# KiCad board All_Bloks_of_project.kicad_pcb (continued)
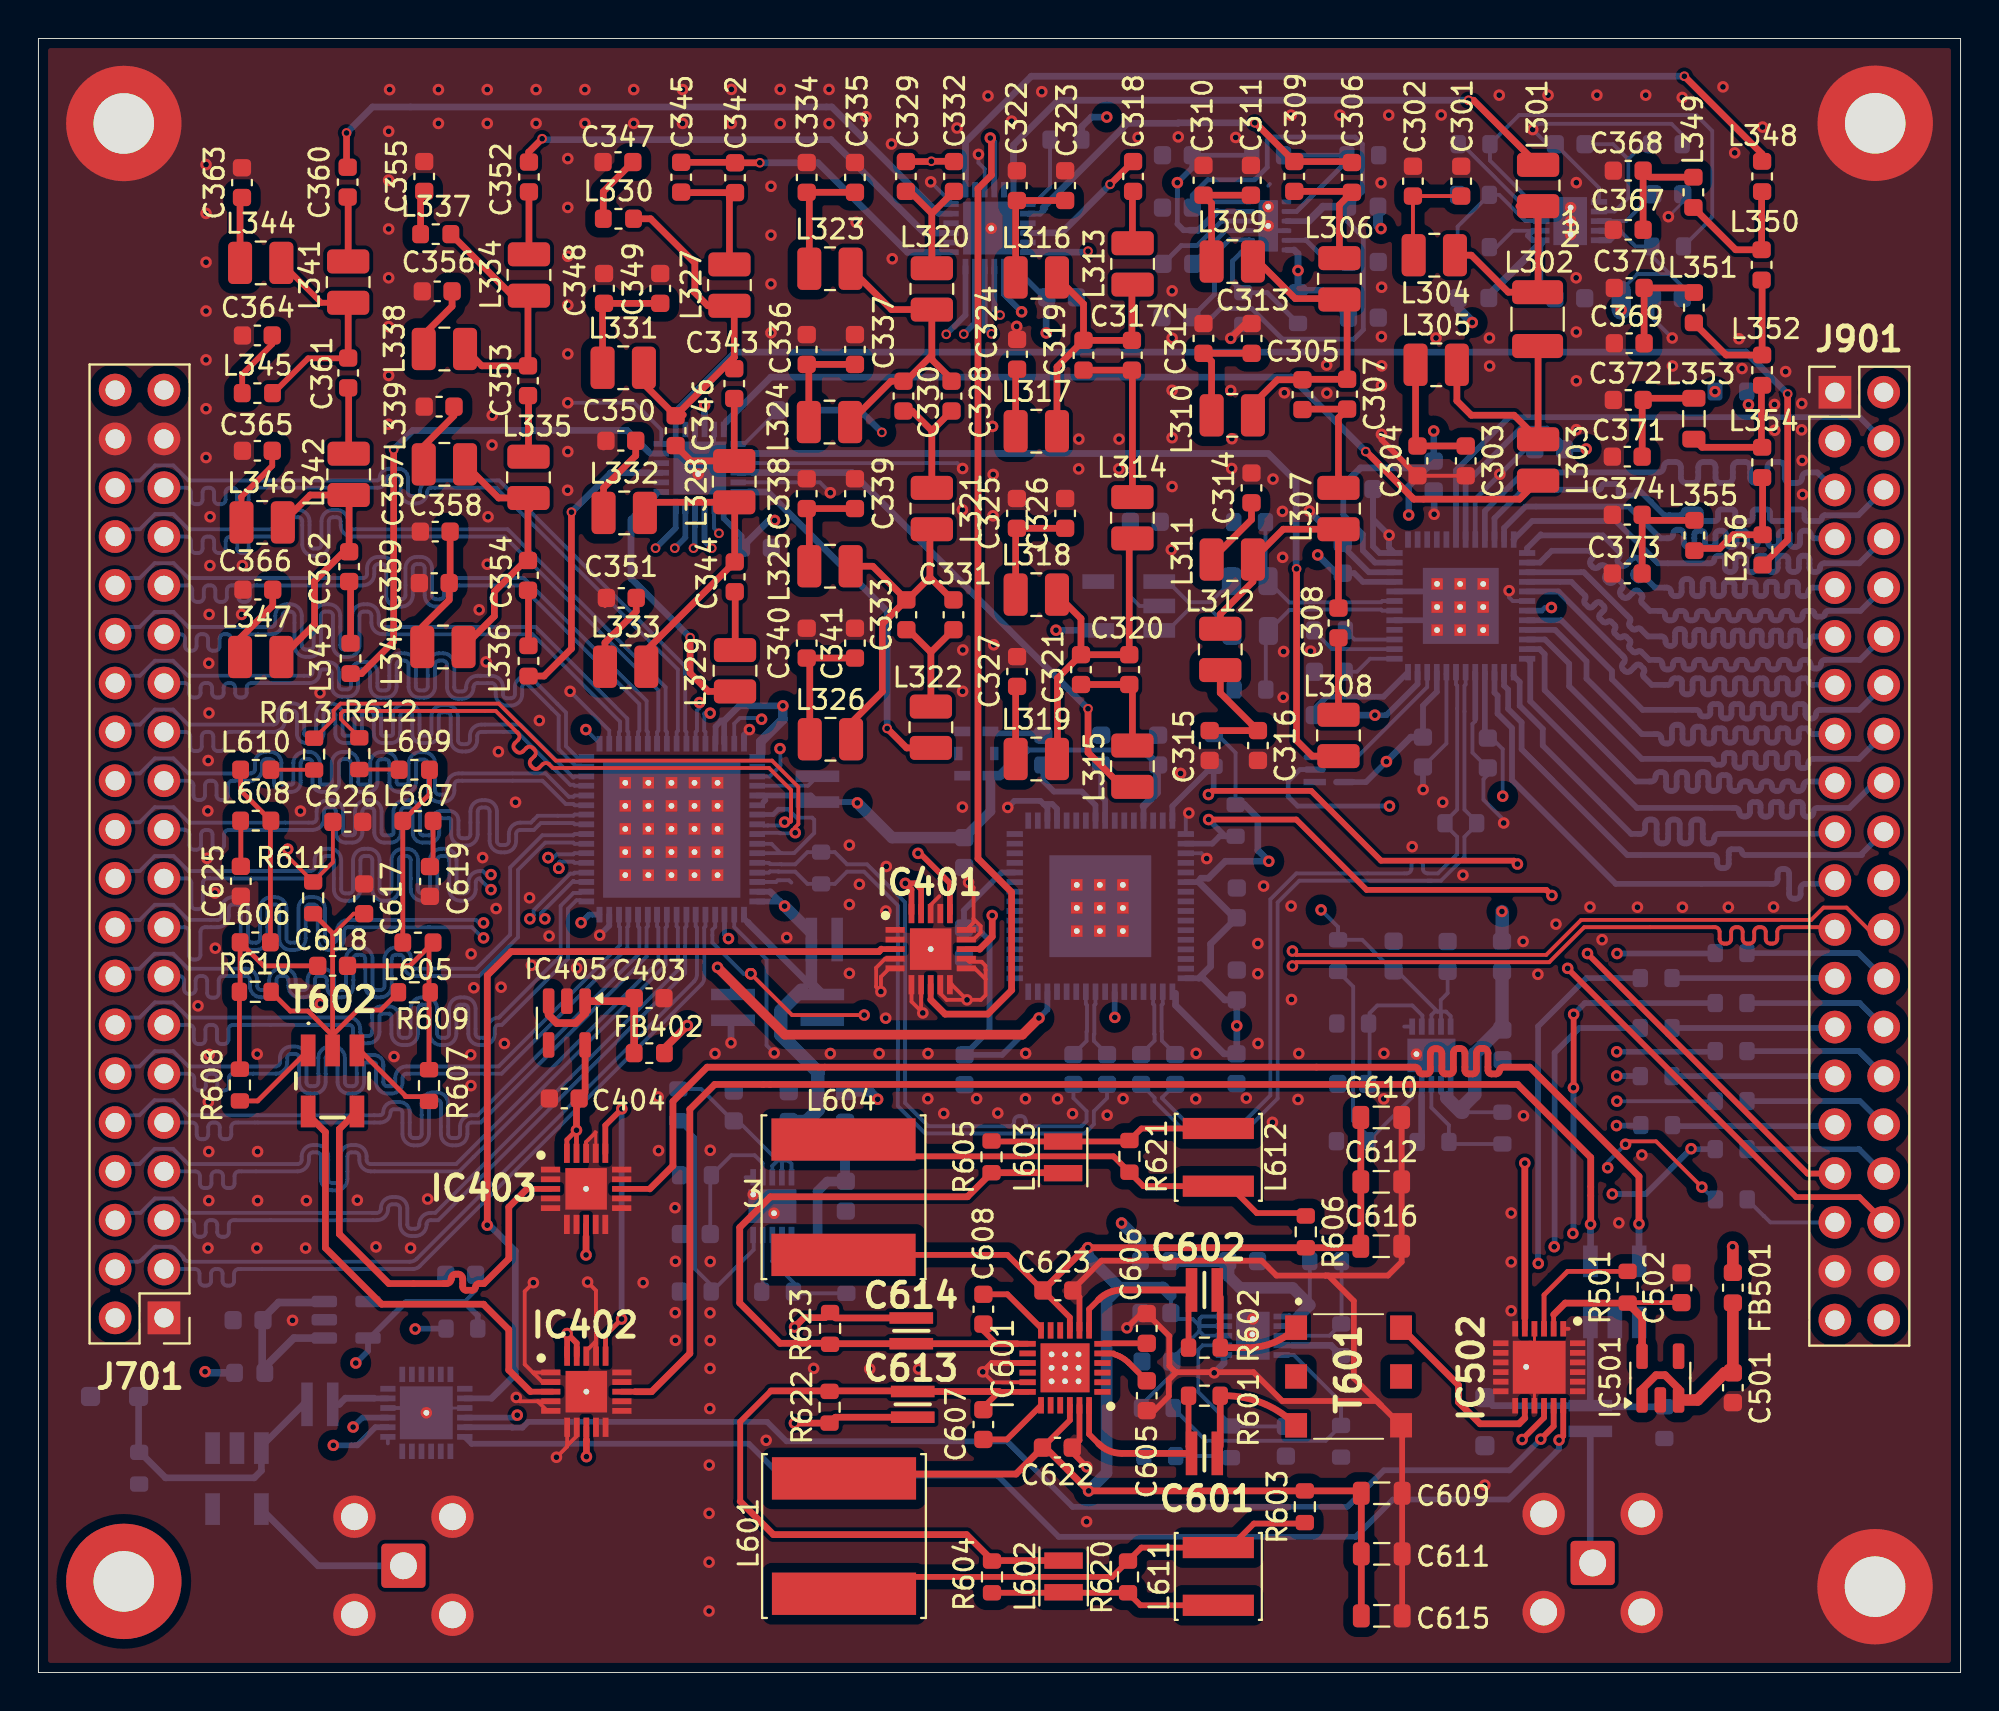
[diagram p0: board, top side]
## Placement (name value [footprint] x y rotation side) (continued)
R605  54Ω  [R_0603_1608Metric]  49.59 26.82 90 top
R606  390Ω  [R_0603_1608Metric]  65.94 22.92 270 top
R607  10Ω  [R_0603_1608Metric]  20.32 30.53 90 top
R608  10Ω  [R_0603_1608Metric]  10.48 30.56 90 top
R609  33Ω  [R_0603_1608Metric]  19.56 35.38 0 top
R610  33Ω  [R_0603_1608Metric]  11.28 35.41 0 top
R611  100Ω  [R_0603_1608Metric]  14.29 40.3 90 top
R612  10Ω  [R_0603_1608Metric]  16.69 47.8 90 top
R613  10Ω  [R_0603_1608Metric]  14.34 47.77 90 top
R614  10kΩ  [R_0603_1608Metric]  66.97 21.4 180 bottom
R615  10kΩ  [R_0603_1608Metric]  67.78 17.31 90 bottom
R616  30kΩ 1%  [R_0603_1608Metric]  62.04 12 90 bottom
R617  47kΩ  [R_0603_1608Metric]  58.21 13.76 180 bottom
R618  10kΩ  [R_0603_1608Metric]  67.77 12.03 90 bottom
R619  3.6kΩ 1%  [R_0603_1608Metric]  58.34 11.26 0 bottom
R620  82Ω  [R_0603_1608Metric]  56.69 4.97 90 top
R621  82Ω  [R_0603_1608Metric]  56.76 26.85 270 top
R622  2.2kΩ  [R_0603_1608Metric]  41.16 13.8 90 top
R623  2.2kΩ  [R_0603_1608Metric]  41.19 17.9 270 top
R701  100Ω  [R_0603_1608Metric]  40.72 41.85 90 bottom
R702  10kΩ  [R_0603_1608Metric]  42.04 20.55 90 bottom
R703  10kΩ  [R_0603_1608Metric]  38.45 19.81 0 bottom
R704  22kΩ 1%  [R_0603_1608Metric]  34.19 25.87 0 bottom
R705  47kΩ  [R_0603_1608Metric]  33.3 29.53 90 bottom
R706  10kΩ  [R_0603_1608Metric]  34.17 19.82 0 bottom
R707  10kΩ  [R_0603_1608Metric]  76.17 28.32 90 bottom
R708  10kΩ  [R_0603_1608Metric]  72.55 27.6 0 bottom
R709  12kΩ 1%  [R_0603_1608Metric]  68.38 33.76 0 bottom
R710  10kΩ  [R_0603_1608Metric]  67.61 37.29 90 bottom
R711  10kΩ  [R_0603_1608Metric]  68.36 27.64 0 bottom
R801  4.7kΩ  [R_0603_1608Metric]  61.14 47.97 90 bottom
R802  4.7kΩ  [R_0603_1608Metric]  62.28 44.33 90 bottom
R901  2kΩ  [R_0603_1608Metric]  67.17 54.21 0 bottom
R902  1MΩ  [R_0603_1608Metric]  84.59 13 270 bottom
R903  25Ω  [R_0603_1608Metric]  63.03 51.13 0 bottom
R904  25Ω  [R_0603_1608Metric]  63.01 59.84 180 bottom
R905  10kΩ  [R_0603_1608Metric]  74.66 74.14 0 bottom
R906  10kΩ  [R_0603_1608Metric]  74.66 76.86 0 bottom
R907  22kΩ 1%  [R_0603_1608Metric]  84.69 79.5 180 bottom
R908  10kΩ  [R_0603_1608Metric]  84.76 74.18 180 bottom
R909  47kΩ  [R_0603_1608Metric]  74.69 79.5 0 bottom
R910  47Ω  [R_0603_1608Metric]  84.16 33.52 0 bottom
R911  47Ω  [R_0603_1608Metric]  88.06 34.82 180 bottom
R912  47Ω  [R_0603_1608Metric]  84.16 36.12 0 bottom
R913  47Ω  [R_0603_1608Metric]  88.06 37.42 180 bottom
R914  47Ω  [R_0603_1608Metric]  88.06 32.32 180 bottom
R915  47Ω  [R_0603_1608Metric]  88.06 29.72 180 bottom
R916  47Ω  [R_0603_1608Metric]  88.06 27.22 180 bottom
R917  47Ω  [R_0603_1608Metric]  84.19 28.47 0 bottom
R918  47Ω  [R_0603_1608Metric]  84.16 31.02 0 bottom
R919  100Ω  [R_0603_1608Metric]  74 44.18 180 bottom
R920  47Ω  [R_0603_1608Metric]  88.05 66.63 0 bottom
R921  47Ω  [R_0603_1608Metric]  88.08 24.61 0 bottom
T101  CX2041NLT 1:1  [CX2041NLT]  10.33 10.09 0 bottom
T601  TTWB-2-A 1:2  [TTWB20101LB]  68.16 15.4 270 top
T602  CX2041NLT 1:1  [CX2041NLT]  15.3 30.77 180 top
T901  CX2041NLT 1:1  [CX2041NLT]  56.72 55.48 270 bottom
T902  CX2041NLT 1:1  [CX2041NLT]  82.01 19.8 180 bottom
TVS101  CDSOD323-T05LC  [D_SOD-323_HandSoldering]  3.96 14.36 0 bottom
TVS901  CDSOD323-T05LC  [D_SOD-323_HandSoldering]  75.25 13.05 90 bottom
U902  SN74LV1T04DCKR  [Texas_Instruments-DCK0005A-0-0-IPC_C]  67.17 46.97 0 bottom
X801  38.4 MHz TCXO  [Oscillator_SMD_Kyocera_2520-6Pin_2.5x2.0mm]  48.79 47.81 0 bottom

## Library data of the parts
C101 C601 C602 C613 C614 C702-C705 C913 = -: Datasheet: https://www.mouser.co.uk/datasheet/2/40/licc-776614.pdf; Description: AVX 0508 (1220M) 1uF MLCC 10V dc +/-10% SMD 0508ZC105KAT2A; Height: 1.02; Manufacturer_Name: Kyocera AVX; Manufacturer_Part_Number: 0508ZC105KAT2A; Mouser Part Number: 581-0508ZC105K; Mouser Price/Stock: https://www.mouser.co.uk/ProductDetail/AVX/0508ZC105KAT2A?qs=B6DZAqfcL2iSZlvljngCnQ%3D%3D; Arrow Part Number: 0508ZC105KAT2A; Arrow Price/Stock: https://www.arrow.com/en/products/0508zc105kat2a/avx
C102 C103 C201 C203 C204 C206-C208 C301-C374 C403 C404 C501 C502 C603-C612 C615-C623 C625 C626 C701 C706-C712 C901-C912 C916 C917 C919 = -: Description: Unpolarized capacitor; ki_fp_filters: C_*
C202 C205 C801-C809 C818-C821 = -: Description: Unpolarized capacitor
FB102 FB201 FB402 FB501 FB601 FB701 FB702 FB901 = -: Description: Ferrite bead; ki_fp_filters: Inductor_* L_* *Ferrite*
IC101 IC405 IC501 = -: Datasheet: http://www.ti.com/lit/ds/symlink/lp5907.pdf; Description: 250-mA Ultra-Low-Noise Low-IQ LDO, 3.3V, SOT-23; ki_fp_filters: SOT?23*
IC104 IC502 = -: Datasheet: http://www.psemi.com/pdf/datasheets/pe43711ds.pdf; Description: IC RF DSA 7BIT 50 OHM 24QFN; Height: 0.9; Manufacturer_Name: Peregrine Semiconductor
IC201 IC202 = -: Datasheet: https://datasheet.lcsc.com/szlcsc/2004131004_PSemi-PE42582A-X_C500479.pdf; Description: RF Switch ICs SP8T, Absorptive, 50? Instrumentation Switch; Height: 0.9; Manufacturer_Name: Peregrine Semiconductor; Mouser Part Number: 81-PE42582A-X; Mouser Price/Stock: https://www.mouser.co.uk/ProductDetail/pSemi/PE42582A-X?qs=5aG0NVq1C4x%252BzLwOxBVCEw%3D%3D
IC203 = -: Datasheet: http://www.ti.com/lit/ds/symlink/lm27762.pdf; Description: Low-noise inverting charge pump with both positive and negative LDO's, with 2.7V-5.5V input to +1.5 to +5V and -1.5 to -5V Output Voltage, WSON-12; ki_fp_filters: WSON*1EP?3x2mm*P0.5mm*ThermalVias*
IC401-IC403 = -: Datasheet: https://www.idt.com/document/dst/f2912-datasheet-rev03; Description: The IDT F2912 is a high reliability, low insertion loss 50 SPDT (SP2T) absorptive RF switch designed for a multitude of wireless and other RF applications. This device covers a broad frequency range from 0.009 MHz to 9000 MHz. In addition to providing low insertion loss, the F2912 also delivers excellent linearity and isolation performance while providing 50 ohm terminations to the unused RF input port.The F2912 uses a single positive supply voltage of 3.3V supporting three states using either 3.3 V or 1.8; Height: 0.8; Mouser Part Number: 972-F2912NCGI8; Mouser Price/Stock: https://www.mouser.co.uk/ProductDetail/Renesas-Electronics/F2912NCGI8?qs=Lc9xb%252B54wecdbDKkHpoV6w%3D%3D; Manufacturer_Name: Renesas Electronics
IC601 = -: Datasheet: https://www.analog.com/media/en/technical-documentation/data-sheets/643215f.pdf; Description: n 100kHz to 1400MHz Bandwidth n 54.4dBm OIP3 at 1MHz into a 100 Diff Load n 48.0dBm OIP3 at 150MHz into a 100 Diff Load n Up to 15dBm Output Power n NF = 3.0dB at 240MHz n Low 1/f Noise Corner n User Defined Low Frequency n 15.2dB Fixed Power Gain n A-Grade 100% OIP3 Tested at 150MHz n 0.8 nV/Hz Total Input Noise n >2.75VP-P Linear Output Swing n P1dB = 22.5dBm n Insensitive to VCC Variation n Input/Output Internally Matched to 100 Differential n Single 5V Supply n DC Power = 850mW n Unc; Height: 0.8; Mouser Part Number: 584-6432AIUF15PBF; Mouser Price/Stock: https://www.mouser.co.uk/ProductDetail/Analog-Devices/LTC6432AIUF-15PBF?qs=BZBei1rCqCC7HUv8OOtxyA%3D%3D; Manufacturer_Name: Analog Devices
IC602 IC702 IC703 IC902 = -: Datasheet: https://www.ti.com/general/docs/suppproductinfo.tsp?distId=26&gotoUrl=https://www.ti.com/lit/gpn/tps7a94; Description: LDO Voltage Regulators 1-A, ultra-low noise, ultra-high PSRR, RF voltage regulator; Height: 0.8; Manufacturer_Name: Texas Instruments; Mouser Part Number: 595-TPS7A9401DSCR; Mouser Price/Stock: https://www.mouser.co.uk/ProductDetail/Texas-Instruments/TPS7A9401DSCR?qs=vvQtp7zwQdMtpMCj0ktWqw%3D%3D; Arrow Price/Stock: https://www.arrow.com/en/products/tps7a9401dscr/texas-instruments?utm_currency=USD&region=nac
IC701 = -: Description: 16-Bit, 130Msps ADC; Manufacturer_Name: Analog Devices
IC801 = -: Datasheet: https://componentsearchengine.com/Datasheets/1/SI5391B-A-GM.pdf; Description: Clock Generators & Support Products Ultra low-jitter, 12-output, any-frequency (< 350 MHz), any output clock generator; Height: 0.9; Manufacturer_Name: Silicon Labs; Mouser Part Number: 634-SI5391B-A-GM; Mouser Price/Stock: https://www.mouser.co.uk/ProductDetail/Silicon-Labs/SI5391B-A-GM?qs=r5DSvlrkXmIKpg0ywsSS%252BQ%3D%3D; Arrow Price/Stock: https://www.arrow.com/en/products/si5391b-a-gm/silicon-labs
IC901 = -: Datasheet: https://datasheet.datasheetarchive.com/originals/dk/DKDS-7/137412.pdf; Description: Digital to Analog Converters - DAC 3.3V, 16-Bit, 200Msps High Dynamic Performance DAC with CMOS Inputs; Description_1: Digital to Analog Converters - DAC 3.3V, 16-Bit, 200Msps High Dynamic Performance DAC with CMOS Inputs; Height: 1; Manufacturer_Name: Analog Devices; Mouser Part Number: 700-MAX5885EGMD; Mouser Price/Stock: https://www.mouser.com/Search/Refine.aspx?Keyword=700-MAX5885EGMD
J101 J902 = -: ki_fp_filters: *CON-COAX_BU-SMA-H*
J701 J901 = -: Datasheet: https://cdn-shop.adafruit.com/product-files/2222/00587.pdf; Description: Headers & Wire Housings GPIO Header for Raspberry Pi A+/B+/Pi 2/Pi 3 - 2x20 Female Header; Height: 8.65; Manufacturer_Name: Adafruit; Manufacturer_Part_Number: 2222; Mouser Part Number: 485-2222; Mouser Price/Stock: https://www.mouser.co.uk/ProductDetail/Adafruit/2222?qs=GURawfaeGuDZD0rNtWpsaQ%3D%3D; Arrow Part Number: 2222; Arrow Price/Stock: https://www.arrow.com/en/products/2222/adafruit-industries?utm_currency=USD&region=nac
L301-L356 L605-L610 = -: Description: Inductor; ki_fp_filters: Choke_* *Coil* Inductor_* L_*
L601 L604 = -: Description: Inductor SWPA8065S471MT; ki_fp_filters: Choke_* *Coil* Inductor_* L_*
L602 L603 = -: Description: Inductor SWPA252010SR56NT; ki_fp_filters: Choke_* *Coil* Inductor_* L_*
L611 L612 = -: Description: Inductor SWPA4030S470MT; ki_fp_filters: Choke_* *Coil* Inductor_* L_*
R101 R102 R201-R206 R501 R601-R623 R701-R711 R801 R802 R901-R921 = -: Description: Resistor; ki_fp_filters: R_*
T101 T602 T901 T902 = -: Datasheet: https://octopart.com/datasheet/pulse-electronics/CX2041NLT; Description: PULSE 1:1 RF Transformer 0.05 - 450MHz 75 Ohm; ki_fp_filters: *PA3GSB_DIL06*
T601 = -: Datasheet: https://octopart.com/datasheet/coilcraft/TTWB1010-; Description: COILCRAFT 1:2 Wideband RF Transformer 0.05 - 200 MHz; ki_fp_filters: *PA3GSB_DIL06*
TVS101 TVS901 = -: Datasheet: https://www.tme.eu/Document/6d36879fb2dd3d2490c58510ca5e3957/PESD5V0S1BB-DTE.pdf; Description: SOD-323 Bidirectional TVS Diode, 5V, 130W, Alternate KiCAD Library; ki_fp_filters: TO-???* *_Diode_* *SingleDiode* D_*
U902 = -: Datasheet: https://www.ti.com/lit/ds/symlink/sn74lv1t04.pdf?ts=1606184222884&ref_url=https%253A%252F%252Fwww.ti.com%252Fstore%252Fti%252Fen%252Fp%252Fproduct%252F%253Fp%253DSN74LV1T04DCKR%2526keyMatch%253DSN74LV1T04DCKR%2526tisearch%253DSearch-EN-everything%2526usecase%253DOPN; ambient temperature range high: +125°C; ambient temperature range low: -40°C; automotive: No; category: IC; device class L1: Integrated Circuits (ICs); device class L2: Logic ICs; device class L3: Logic Gates; digikey description: IC INVERTER 1CH 1-INP SC70-5; digikey part number: 296-39209-1-ND; height: 1.1mm; lead free: Yes; library id: 5b3b2395368a7f87; logic function desc: Inverting; manufacturer: Texas Instruments; max supply voltage: 5.5V; min supply voltage: 1.6V; mouser description: Single Power Supply INVERTER Gate logic level shifter 5-SC70 -40 to 125; mouser part number: 595-SN74LV1T04DCKR; nominal supply current: 1uA; number of circuits: 1; number of inputs: 1; number of outputs: 1; package: SC70-5; propagation delay: 5.5ns; rohs: Yes; standoff height: 0mm; temperature range high: +125°C; temperature range low: -40°C

## Footprints (pads in the part's own frame, mm; a bottom-side part is the same pattern mirrored in y, then rotated)
0508
  rect 0.6x2.27 smd: 1(-0.67,0) 2(0.67,0)
C_0603_1608Metric
  rrect 0.9x0.95 smd: 1(-0.775,0) 2(0.775,0)
C_0805_2012Metric
  rrect 1x1.45 smd: 1(-0.95,0) 2(0.95,0)
CX2041NLT
  rect 0.762x1.651 smd: 1(1.27,-1.587) 2(0,-1.587) 3(-1.27,-1.587) 4(-1.27,1.587) 6(1.27,1.587)
D_SOD-323_HandSoldering
  rrect 1x1 smd: 1(-1.25,0) 2(1.25,0)
L_0603_1608Metric
  rrect 0.875x0.95 smd: 1(-0.787,0) 2(0.787,0)
L_0805_2012Metric
  rrect 0.875x1.2 smd: 1(-1.062,0) 2(1.062,0)
L_1008_2520Metric
  rrect 1.25x2.2 smd: 1(-1.075,0) 2(1.075,0)
L_1210_3225Metric
  rrect 1.25x2.65 smd: 1(-1.4,0) 2(1.4,0)
L_Changjiang_FNR8065S
  rect 2.2x7.5 smd: 1(-3,0) 2(3,0)
L_Sunlord_SWPA4030S
  rect 1.1x3.7 smd: 1(-1.5,0) 2(1.5,0)
L_Sunlord_SWPA252010S
  rect 0.85x2 smd: 1(-0.825,0) 2(0.825,0)
Oscillator_SMD_Kyocera_2520-6Pin_2.5x2.0mm
  rect 0.825x0.5 smd: 1(-0.738,1.15) 3(-0.738,-1.15) 4(0.738,-1.15) 6(0.738,1.15)
  rect 0.43x0.7 smd: 2(-0.935,0) 5(0.935,0)
PinHeader_2x20_P2.54mm_Vertical
  rect 1.7x1.7 hole 1: 1(0,0)
  oval 1.7x1.7 hole 1: 2(2.54,0) 3(0,-2.54) 4(2.54,-2.54) 5(0,-5.08) 6(2.54,-5.08) 7(0,-7.62) 8(2.54,-7.62) 9(0,-10.16) 10(2.54,-10.16) 11(0,-12.7) 12(2.54,-12.7) 13(0,-15.24) 14(2.54,-15.24) 15(0,-17.78) 16(2.54,-17.78) 17(0,-20.32) 18(2.54,-20.32) 19(0,-22.86) 20(2.54,-22.86) 21(0,-25.4) 22(2.54,-25.4) 23(0,-27.94) 24(2.54,-27.94) 25(0,-30.48) 26(2.54,-30.48) 27(0,-33.02) 28(2.54,-33.02) 29(0,-35.56) 30(2.54,-35.56) 31(0,-38.1) 32(2.54,-38.1) 33(0,-40.64) 34(2.54,-40.64) 35(0,-43.18) 36(2.54,-43.18) 37(0,-45.72) 38(2.54,-45.72) 39(0,-48.26) 40(2.54,-48.26)
QFN50P400X400X80-21N-D
  rect 1x0.3 smd: 1(-1.85,1) 2(-1.85,0.5) 3(-1.85,0) 4(-1.85,-0.5) 5(-1.85,-1) 11(1.85,-1) 12(1.85,-0.5) 13(1.85,0) 14(1.85,0.5) 15(1.85,1)
  rect 0.3x1 smd: 6(-1,-1.85) 7(-0.5,-1.85) 8(0,-1.85) 9(0.5,-1.85) 10(1,-1.85) 16(1,1.85) 17(0.5,1.85) 18(0,1.85) 19(-0.5,1.85) 20(-1,1.85)
  rect 2.16x2.16 smd: 21(0,0)
QFN50P400X400X80-25N-D
  rect 0.85x0.3 smd: 1(-1.95,1.25) 2(-1.95,0.75) 3(-1.95,0.25) 4(-1.95,-0.25) 5(-1.95,-0.75) 6(-1.95,-1.25) 13(1.95,-1.25) 14(1.95,-0.75) 15(1.95,-0.25) 16(1.95,0.25) 17(1.95,0.75) 18(1.95,1.25)
  rect 0.3x0.85 smd: 7(-1.25,-1.95) 8(-0.75,-1.95) 9(-0.25,-1.95) 10(0.25,-1.95) 11(0.75,-1.95) 12(1.25,-1.95) 19(1.25,1.95) 20(0.75,1.95) 21(0.25,1.95) 22(-0.25,1.95) 23(-0.75,1.95) 24(-1.25,1.95)
  rect 2.55x2.55 smd: 25(0,0)
QFN50P400X400X90-25N-D
  rect 0.8x0.3 smd: 1(-2,1.25) 2(-2,0.75) 3(-2,0.25) 4(-2,-0.25) 5(-2,-0.75) 6(-2,-1.25) 13(2,-1.25) 14(2,-0.75) 15(2,-0.25) 16(2,0.25) 17(2,0.75) 18(2,1.25)
  rect 0.3x0.8 smd: 7(-1.25,-2) 8(-0.75,-2) 9(-0.25,-2) 10(0.25,-2) 11(0.75,-2) 12(1.25,-2) 19(1.25,2) 20(0.75,2) 21(0.25,2) 22(-0.25,2) 23(-0.75,2) 24(-1.25,2)
  rect 2.75x2.75 smd: 25(0,0)
QFN50P700X700X100-49N
  rect 0.85x0.3 smd: 1(-3.45,2.75) 2(-3.45,2.25) 3(-3.45,1.75) 4(-3.45,1.25) 5(-3.45,0.75) 6(-3.45,0.25) 7(-3.45,-0.25) 8(-3.45,-0.75) 9(-3.45,-1.25) 10(-3.45,-1.75) 11(-3.45,-2.25) 12(-3.45,-2.75) 25(3.45,-2.75) 26(3.45,-2.25) 27(3.45,-1.75) 28(3.45,-1.25) 29(3.45,-0.75) 30(3.45,-0.25) 31(3.45,0.25) 32(3.45,0.75) 33(3.45,1.25) 34(3.45,1.75) 35(3.45,2.25) 36(3.45,2.75)
  rect 0.3x0.85 smd: 13(-2.75,-3.45) 14(-2.25,-3.45) 15(-1.75,-3.45) 16(-1.25,-3.45) 17(-0.75,-3.45) 18(-0.25,-3.45) 19(0.25,-3.45) 20(0.75,-3.45) 21(1.25,-3.45) 22(1.75,-3.45) 23(2.25,-3.45) 24(2.75,-3.45) 37(2.75,3.45) 38(2.25,3.45) 39(1.75,3.45) 40(1.25,3.45) 41(0.75,3.45) 42(0.25,3.45) 43(-0.25,3.45) 44(-0.75,3.45) 45(-1.25,3.45) 46(-1.75,3.45) 47(-2.25,3.45) 48(-2.75,3.45)
  rect 3.95x3.95 smd: 49(0,0)
QFN50P900X900X80-65N
  rect 0.813x0.305 smd: 1(-4.445,3.759) 2(-4.445,3.251) 3(-4.445,2.743) 4(-4.445,2.261) 5(-4.445,1.753) 6(-4.445,1.245) 7(-4.445,0.762) 8(-4.445,0.254) 9(-4.445,-0.254) 10(-4.445,-0.762) 11(-4.445,-1.245) 12(-4.445,-1.753) 13(-4.445,-2.261) 14(-4.445,-2.743) 15(-4.445,-3.251) 16(-4.445,-3.759) 33(4.445,-3.759) 34(4.445,-3.251) 35(4.445,-2.743) 36(4.445,-2.261) 37(4.445,-1.753) 38(4.445,-1.245) 39(4.445,-0.762) 40(4.445,-0.254) 41(4.445,0.254) 42(4.445,0.762) 43(4.445,1.245) 44(4.445,1.753) 45(4.445,2.261) 46(4.445,2.743) 47(4.445,3.251) 48(4.445,3.759)
  rect 0.305x0.813 smd: 17(-3.759,-4.445) 18(-3.251,-4.445) 19(-2.743,-4.445) 20(-2.261,-4.445) 21(-1.753,-4.445) 22(-1.245,-4.445) 23(-0.762,-4.445) 24(-0.254,-4.445) 25(0.254,-4.445) 26(0.762,-4.445) 27(1.245,-4.445) 28(1.753,-4.445) 29(2.261,-4.445) 30(2.743,-4.445) 31(3.251,-4.445) 32(3.759,-4.445) 49(3.759,4.445) 50(3.251,4.445) 51(2.743,4.445) 52(2.261,4.445) 53(1.753,4.445) 54(1.245,4.445) 55(0.762,4.445) 56(0.254,4.445) 57(-0.254,4.445) 58(-0.762,4.445) 59(-1.245,4.445) 60(-1.753,4.445) 61(-2.261,4.445) 62(-2.743,4.445) 63(-3.251,4.445) 64(-3.759,4.445)
  rect 7.137x7.137 smd: 65(0,0)
QFN50P900X900X90-65N-D
  rect 0.85x0.3 smd: 1(-4.45,3.75) 2(-4.45,3.25) 3(-4.45,2.75) 4(-4.45,2.25) 5(-4.45,1.75) 6(-4.45,1.25) 7(-4.45,0.75) 8(-4.45,0.25) 9(-4.45,-0.25) 10(-4.45,-0.75) 11(-4.45,-1.25) 12(-4.45,-1.75) 13(-4.45,-2.25) 14(-4.45,-2.75) 15(-4.45,-3.25) 16(-4.45,-3.75) 33(4.45,-3.75) 34(4.45,-3.25) 35(4.45,-2.75) 36(4.45,-2.25) 37(4.45,-1.75) 38(4.45,-1.25) 39(4.45,-0.75) 40(4.45,-0.25) 41(4.45,0.25) 42(4.45,0.75) 43(4.45,1.25) 44(4.45,1.75) 45(4.45,2.25) 46(4.45,2.75) 47(4.45,3.25) 48(4.45,3.75)
  rect 0.3x0.85 smd: 17(-3.75,-4.45) 18(-3.25,-4.45) 19(-2.75,-4.45) 20(-2.25,-4.45) 21(-1.75,-4.45) 22(-1.25,-4.45) 23(-0.75,-4.45) 24(-0.25,-4.45) 25(0.25,-4.45) 26(0.75,-4.45) 27(1.25,-4.45) 28(1.75,-4.45) 29(2.25,-4.45) 30(2.75,-4.45) 31(3.25,-4.45) 32(3.75,-4.45) 49(3.75,4.45) 50(3.25,4.45) 51(2.75,4.45) 52(2.25,4.45) 53(1.75,4.45) 54(1.25,4.45) 55(0.75,4.45) 56(0.25,4.45) 57(-0.25,4.45) 58(-0.75,4.45) 59(-1.25,4.45) 60(-1.75,4.45) 61(-2.25,4.45) 62(-2.75,4.45) 63(-3.25,4.45) 64(-3.75,4.45)
  rect 5.3x5.3 smd: 65(0,0)
R_0603_1608Metric
  rrect 0.8x0.95 smd: 1(-0.825,0) 2(0.825,0)
SMA_BAT_Wireless_BWSMA-KWE-Z001
  rrect 2.3x2.3 hole 1.4: 1(0,0)
  round 2.2 hole 1.4: 2(-2.55,-2.55) 2(-2.55,2.55) 2(2.55,-2.55) 2(2.55,2.55)
SON50P300X300X80-11N-D
  rect 0.85x0.3 smd: 1(-1.5,1) 2(-1.5,0.5) 3(-1.5,0) 4(-1.5,-0.5) 5(-1.5,-1) 6(1.5,-1) 7(1.5,-0.5) 8(1.5,0) 9(1.5,0.5) 10(1.5,1)
  rect 1.75x2.5 smd: 11(0,0)
SOT-23-5
  rrect 1.325x0.6 smd: 1(-1.137,0.95) 2(-1.137,0) 3(-1.137,-0.95) 4(1.137,-0.95) 5(1.137,0.95)
Texas_Instruments-DCK0005A-0-0-IPC_C
  rect 1.164x0.336 smd: 1(-0.77,0.65)
  rrect 1.164x0.336 smd: 2(-0.77,0) 3(-0.77,-0.65) 4(0.77,-0.65) 5(0.77,0.65)
TTWB20101LB
  rect 1.27x1.14 smd: 1(-2.54,-2.73) 2(0,-2.73) 3(2.54,-2.73) 4(2.54,2.73) 5(0,2.73) 6(-2.54,2.73)
unnamed
  rect 0.6x0.6 hole 0.3: 65(0,0)
unnamed#2
  round 0.6 hole 0.3: 25(0,0)
unnamed#3
  round 0.6 hole 0.3: 11(0,0)
unnamed#4
  rect 0.6x0.6 hole 0.3: 49(0,0)
unnamed#5
  round 0.6 hole 0.3: 21(0,0)
unnamed#6
  round 6 hole 3.15: M3(-3.62,5.197)
unnamed#7
  round 6 hole 3.15: M3(5.57,-1.593)
unnamed#8
  round 6 hole 3.15: M3(6.33,9.5)
unnamed#9
  round 6 hole 3.15: M3(3.1,5.747)
WSON-12-1EP_3x2mm_P0.5mm_EP1x2.65_ThermalVias
  rect 0.95x0.8 smd: (0,-0.5) (0,0.5)
  rrect 0.5x0.25 smd: 1(-0.95,1.25) 2(-0.95,0.75) 3(-0.95,0.25) 4(-0.95,-0.25) 5(-0.95,-0.75) 6(-0.95,-1.25) 7(0.95,-1.25) 8(0.95,-0.75) 9(0.95,-0.25) 10(0.95,0.25) 11(0.95,0.75) 12(0.95,1.25)
  round 0.6 smd: 13(0,-1)
  round 0.6 hole 0.3: 13(0,0) 13(0,1)
  rect 1x2.65 smd: 13(0,0) 13(0,0)

## Nets
+1.8V_ADC: C703.2 C711.1 C712.1 C802.1 C803.2 C804.2 C805.1 C821.1 IC701.32 IC701.49 IC703.8 IC703.9 IC703.10 IC801.22 IC801.32 IC801.33 IC801.39 IC801.46 IC801.60 R710.2 R801.2 R802.2
+3.3V_ADC: C702.2 C704.2 C705.2 C707.1 C708.1 C801.1 C806.2 IC701.1 IC701.5 IC701.6 IC701.15 IC701.16 IC701.17 IC701.61 IC701.62 IC702.8 IC702.9 IC702.10 IC801.13 R705.2 X801.6
+3.3V_B2: C207.2 IC201.8 IC202.8 IC203.11 R201.2 R202.2 R203.2
+3.3V_DAC: C901.1 C902.1 C903.1 C905.2 C906.1 C907.1 C908.2 C911.1 C912.1 IC901.4 IC901.9 IC901.11 IC901.21 IC901.23 IC901.31 IC901.43 IC902.8 IC902.9 IC902.10 R908.2 U902.5
+5V: FB102.1 FB201.1 FB402.1 FB501.1 FB601.1 FB701.1 FB702.1 FB901.1 J701.2 J901.2
+5V_B6: C609.1 C610.1 C611.1 C612.1 C615.1 C616.1 C620.1 C621.1 C622.2 C623.2 IC601.9 IC601.22 IC602.8 IC602.9 IC602.10 L601.1 L604.2 R603.2 R606.2 R617.2
-3.0V_B2: C202.1 C205.1 C208.2 IC201.7 IC202.7 IC203.6 R206.2
/+3.3V_B4: C404.1 IC401.19 IC401.20 IC402.19 IC402.20 IC403.19 IC403.20 IC405.5
/+3.3V_B5: C502.1 IC501.5 IC502.2 R501.1
/+5V_B1: C103.1 IC101.5 IC104.2 R102.1
GND: 1.11 2.11 3.11 C102.2 C103.2 C201.1 C202.2 C203.1 C205.2 C206.1 C207.1 C208.1 C301.2 C302.2 C303.2 C304.2 C310.2 C311.2 C312.2 C313.2 C314.2 C315.2 C316.2 C322.2 C323.2 C324.2 C325.2 C326.2 C327.2 C334.2 C335.2 C336.2 C337.2 C338.2 C339.2 C340.2 C341.2 C347.2 C348.2 C349.2 C350.2 C351.2 C355.2 C356.2 C357.2 C358.2 C359.2 C363.2 C364.2 C365.2 C366.2 C367.2 C368.2 C369.2 C370.2 C371.2 C372.2 C373.2 C374.2 C403.2 C404.2 C501.2 C502.2 C603.2 C604.2 C605.1 C606.1 C609.2 C610.2 C611.2 C612.2 C615.2 C616.2 C617.1 C619.1 C620.2 C621.2 C622.1 C623.1 C625.1 C626.1 C701.2 C702.1 C703.1 C704.1 C705.1 C706.2 C707.2 C708.2 C709.2 C710.2 C711.2 C712.2 C801.2 C802.2 C803.1 C804.1 C805.2 C806.1 C808.1 C821.2 C901.2 C902.2 C903.2 C904.2 C905.1 C906.2 C907.2 C908.1 C909.2 C910.2 C911.2 C912.2 C919.2 IC101.2 IC104.1 IC104.4 IC104.6 IC104.7 IC104.8 IC104.9 IC104.10 IC104.11 IC104.12 IC104.13 IC104.15 IC104.19 IC104.20 IC104.21 IC104.22 IC104.23 IC104.24 IC104.25 IC201.3 IC201.5 IC201.14 IC201.16 IC201.18 IC201.21 IC201.23 IC201.25 IC202.3 IC202.5 IC202.14 IC202.16 IC202.18 IC202.21 IC202.23 IC202.25 IC203.4 IC203.13 IC401.1 IC401.2 IC401.4 IC401.5 IC401.6 IC401.7 IC401.9 IC401.10 IC401.11 IC401.12 IC401.14 IC401.15 IC401.17 IC401.18 IC401.21 IC402.1 IC402.2 IC402.4 IC402.5 IC402.6 IC402.7 IC402.9 IC402.10 IC402.11 IC402.12 IC402.14 IC402.15 IC402.17 IC402.18 IC402.21 IC403.1 IC403.2 IC403.4 IC403.5 IC403.6 IC403.7 IC403.9 IC403.10 IC403.11 IC403.12 IC403.14 IC403.15 IC403.17 IC403.18 IC403.21 IC405.2 IC501.2 IC502.1 IC502.4 IC502.6 IC502.7 IC502.8 IC502.9 IC502.10 IC502.11 IC502.12 IC502.13 IC502.15 IC502.19 IC502.20 IC502.21 IC502.22 IC502.23 IC502.24 IC502.25 IC601.8 IC601.15 IC601.17 IC601.23 IC601.25 IC602.4 IC602.6 IC602.11 IC701.2 IC701.4 IC701.7 IC701.10 IC701.11 IC701.14 IC701.18 IC701.31 IC701.50 IC701.64 IC701.65 IC702.4 IC702.6 IC702.11 IC703.4 IC703.6 IC703.11 IC801.3 IC801.4 IC801.17 IC801.19 IC801.65 IC901.5 IC901.8 IC901.12 IC901.17 IC901.20 IC901.22 IC901.24 IC901.32 IC901.42 IC901.49 IC902.4 IC902.6 IC902.11 J101.2 J701.1 J701.37 J701.38 J901.1 J901.37 J901.38 J902.2 NOREF.65 NOREF#2.65 NOREF#3.65 NOREF#4.25 NOREF#5.65 NOREF#6.11 NOREF#7.65 NOREF#8.25 NOREF#9.65 NOREF#10.65 NOREF#11.65 NOREF#12.25 NOREF#13.25 NOREF#14.49 NOREF#15.65 NOREF#16.25 NOREF#17.65 NOREF#18.65 NOREF#19.25 NOREF#20.21 NOREF#21.65 NOREF#22.49 NOREF#23.25 NOREF#24.65 NOREF#25.65 NOREF#26.65 NOREF#27.25 NOREF#28.25 NOREF#29.65 NOREF#30.25 NOREF#31.49 NOREF#32.11 NOREF#33.11 NOREF#34.M3 NOREF#35.65 NOREF#36.65 NOREF#37.65 NOREF#38.65 NOREF#39.65 NOREF#40.11 NOREF#41.65 NOREF#42.65 NOREF#43.49 NOREF#44.65 NOREF#45.49 NOREF#46.65 NOREF#47.M3 NOREF#48.21 NOREF#49.49 NOREF#50.25 NOREF#51.65 NOREF#52.65 NOREF#54.65 NOREF#55.11 NOREF#56.65 NOREF#57.49 NOREF#58.25 NOREF#59.21 NOREF#60.25 NOREF#61.M3 NOREF#62.65 NOREF#63.65 NOREF#64.65 NOREF#65.65 NOREF#66.49 NOREF#67.65 NOREF#68.49 R101.2 R204.2 R205.2 R615.1 R618.1 R619.1 R703.1 R704.1 R706.1 R708.1 R709.1 R711.1 R902.2 R903.1 R904.2 R906.1 R907.1 R909.1 T101.3 T101.4 T601.4 T901.4 T902.3 TVS101.1 TVS901.1 U902.3 X801.1 X801.2 X801.3
/ADC_5_N: C818.1 IC801.41
/ADC_5_P: C809.1 IC801.42
/ADC_CLK_N: C818.2 IC701.13 R701.1
/ADC_CLK_P: C809.2 IC701.12 R701.2
/ADC_D0_N: IC701.21 J701.3
/ADC_D0_P: IC701.22 J701.4
/ADC_D1_N: IC701.23 J701.5
/ADC_D1_P: IC701.24 J701.6
/ADC_D2_N: IC701.25 J701.7
/ADC_D2_P: IC701.26 J701.8
/ADC_D3_N: IC701.27 J701.9
/ADC_D3_P: IC701.28 J701.10
/ADC_D4_N: IC701.29 J701.11
/ADC_D4_P: IC701.30 J701.12
/ADC_D5_N: IC701.33 J701.13
/ADC_D5_P: IC701.34 J701.14
/ADC_D6_N: IC701.35 J701.17
/ADC_D6_P: IC701.36 J701.18
/ADC_D7_N: IC701.37 J701.19
/ADC_D7_P: IC701.38 J701.20
/ADC_D8_N: IC701.41 J701.21
/ADC_D8_P: IC701.42 J701.22
/ADC_D9_N: IC701.43 J701.23
/ADC_D9_P: IC701.44 J701.24
/ADC_D10_N: IC701.45 J701.25
/ADC_D10_P: IC701.46 J701.26
/ADC_D11_N: IC701.47 J701.27
/ADC_D11_P: IC701.48 J701.28
/ADC_D12_N: IC701.51 J701.29
/ADC_D12_P: IC701.52 J701.30
/ADC_D13_N: IC701.53 J701.31
/ADC_D13_P: IC701.54 J701.32
/ADC_D14_N: IC701.55 J701.33
/ADC_D14_P: IC701.56 J701.34
/ADC_D15_N: IC701.57 J701.35
/ADC_D15_P: IC701.58 J701.36
/ADC_DCO_N: IC701.39 J701.15
/ADC_DCO_P: IC701.40 J701.16
/ADC_OF_N: IC701.59 J901.24
/ADC_OF_P: IC701.60 J901.23
/ADC_OUT_N: IC701.9 R613.2
/ADC_OUT_P: IC701.8 R612.2
/ADC_VCM: C626.2 IC701.3 R611.2
/DAC_3_N: C820.1 IC801.34
/DAC_3_P: C819.1 IC801.35
/DAC_CLK_N: C820.2 IC901.7 R919.2
/DAC_CLK_P: C819.2 IC901.6 R919.1
/DAC_OUT_N: C916.1 IC901.18 R903.2
/DAC_OUT_P: C917.1 IC901.19 R904.1
/DAC_T_N: C916.2 T901.1
/DAC_T_P: C917.2 T901.3
/DITH: IC701.20 R921.1
/DSA_DATA: IC104.18 IC502.18 R911.2
/DSA_LE1: IC104.16 R913.2
/DSA_LE2: IC502.16 R912.1
/DSA_SCLK: IC104.17 IC502.17 R910.1
/FLT_V1: IC201.9 IC202.9 R914.2
/FLT_V2: IC201.10 IC202.10 R918.1
/FLT_V3: IC201.11 IC202.11 R915.2
/FLT_V4: IC201.12 IC202.12 R917.1
/I2C_SCL: IC801.16 J901.36 R801.1
/I2C_SDA: IC801.18 J901.33 R802.1
/MASTER_LPF_IN: IC201.19 L348.1
/MASTER_LPF_OUT: IC202.19 L356.2
/RAND: IC701.63 R920.1
/RF_F1_S1: L301.2 L302.1 L304.2
/RF_F1_S2: L302.2 L303.1 L305.2
/RF_F2_S1: C306.2 C309.2 L306.1
/RF_F2_S2: C305.1 C307.1 L306.2 L309.2 L310.2
/RF_F2_S3: C305.2 C307.2 L307.1
/RF_F2_S4: C308.1 L307.2 L311.2 L312.2
/RF_F2_S5: C308.2 L308.1
/RF_F3_S1: C318.2 L313.1
/RF_F3_S2: C317.1 C319.1 L313.2 L316.2 L317.2
/RF_F3_S3: C317.2 C319.2 L314.1
/RF_F3_S4: C320.1 C321.1 L314.2 L318.2 L319.2
/RF_F3_S5: C320.2 C321.2 L315.1
/RF_F4_S1: C329.2 C332.2 L320.1
/RF_F4_S2: C328.1 C330.1 L320.2 L323.2 L324.2
/RF_F4_S3: C328.2 C330.2 L321.1
/RF_F4_S4: C331.1 C333.1 L321.2 L325.2 L326.2
/RF_F4_S5: C331.2 C333.2 L322.1
/RF_F5_S1: C342.2 C345.2 L327.1
/RF_F5_S2: C343.1 C346.1 L327.2 L330.2 L331.2
/RF_F5_S3: C343.2 C346.2 L328.1
/RF_F5_S4: C344.1 L328.2 L332.2 L333.2
/RF_F5_S5: C344.2 L329.1
/RF_F6_S1: C352.2 L334.1
/RF_F6_S2: C353.1 L334.2 L337.2 L338.2
/RF_F6_S3: C353.2 L335.1
/RF_F6_S4: C354.1 L335.2 L339.2 L340.2
/RF_F6_S5: C354.2 L336.1
/RF_F7_S1: C360.2 L341.1
/RF_F7_S2: C361.1 L341.2 L344.2 L345.2
/RF_F7_S3: C361.2 L342.1
/RF_F7_S4: C362.1 L342.2 L346.2 L347.2
/RF_F7_S5: C362.2 L343.1
/RF_FILTR_IN_1: IC201.24 L301.1
/RF_FILTR_IN_2: C306.1 C309.1 IC201.2
/RF_FILTR_IN_3: C318.1 IC201.4
/RF_FILTR_IN_4: C329.1 C332.1 IC201.6
/RF_FILTR_IN_5: C342.1 C345.1 IC201.13
/RF_FILTR_IN_6: C352.1 IC201.15
/RF_FILTR_IN_7: C360.1 IC201.17
/RF_FILTR_OUT_1: IC202.24 L303.2
/RF_FILTR_OUT_2: IC202.2 L308.2
/RF_FILTR_OUT_3: IC202.4 L315.2
/RF_FILTR_OUT_4: IC202.6 L322.2
/RF_FILTR_OUT_5: IC202.13 L329.2
/RF_FILTR_OUT_6: IC202.15 L336.2
/RF_FILTR_OUT_7: IC202.17 L343.2
/RF_M_S1: L348.2 L349.1 L350.1
/RF_M_S2: L350.2 L351.1 L352.1
/RF_M_S3: L352.2 L353.1 L354.1
/RF_M_S4: L354.2 L355.1 L356.1
/RF_TX_OUT: C913.2 J902.1
/RF_TX_T1: C913.1 R902.1 T902.1 TVS901.2
/RX_ATT_IN: C101.2 IC104.5
/RX_LNA_IN_N: C602.1 R602.1 T601.1
/RX_LNA_IN_P: C601.1 R601.1 T601.3
/RX_LNA_OUT_N: C608.2 C614.1 IC601.13 L603.1 R605.1 R623.2
/RX_LNA_OUT_P: C607.2 C613.1 IC601.18 L602.2 R604.1 R622.2
/RX_T: J101.1 T101.6
/RX_T_OUT: C101.1 R101.1 T101.1 TVS101.2
/RX_TX_MODE: IC401.16 IC402.16 IC403.16 IC701.19 R916.2 U902.2
/TX_D0: IC901.2 J901.20
/TX_D1: IC901.1 J901.19
/TX_D2: IC901.48 J901.18
/TX_D3: IC901.47 J901.17
/TX_D4: IC901.46 J901.16
/TX_D5: IC901.45 J901.15
/TX_D6: IC901.44 J901.14
/TX_D7: IC901.41 J901.13
/TX_D8: IC901.40 J901.12
/TX_D9: IC901.39 J901.11
/TX_D10: IC901.38 J901.10
/TX_D11: IC901.37 J901.9
/TX_D12: IC901.36 J901.8
/TX_D13: IC901.35 J901.7
/TX_D14: IC901.34 J901.6
/TX_D15: IC901.33 J901.5
/TX_SEL0: IC901.30 J901.4
/TX_XOR: IC901.3 J901.21
LNA_N: C614.2 IC403.8 R623.1
LNA_P: C613.2 IC402.8 R622.1
RX_1: IC104.14 IC401.3
RX_IN_N: IC403.3 T602.4
RX_IN_P: IC402.3 T602.6
RX_TX_1: IC201.22 IC401.8
RX_TX_2: IC202.22 IC502.5
RX_TX_3: IC502.14 T601.6
TX_1: IC401.13 T901.6
TX_OUT_N: IC403.13 T902.4
TX_OUT_P: IC402.13 T902.6
Net-(C301-Pad1): C301.1 C302.1 L304.1
Net-(C303-Pad1): C303.1 C304.1 L305.1
Net-(C310-Pad1): C310.1 C311.1 L309.1
Net-(C312-Pad1): C312.1 C313.1 L310.1
Net-(C314-Pad1): C314.1 L311.1
Net-(C315-Pad1): C315.1 C316.1 L312.1
Net-(C322-Pad1): C322.1 C323.1 L316.1
Net-(C324-Pad1): C324.1 L317.1
Net-(C325-Pad1): C325.1 C326.1 L318.1
Net-(C327-Pad1): C327.1 L319.1
Net-(C334-Pad1): C334.1 C335.1 L323.1
Net-(C336-Pad1): C336.1 C337.1 L324.1
Net-(C338-Pad1): C338.1 C339.1 L325.1
Net-(C340-Pad1): C340.1 C341.1 L326.1
Net-(C347-Pad1): C347.1 L330.1
Net-(C348-Pad1): C348.1 C349.1 L331.1
Net-(C350-Pad1): C350.1 L332.1
Net-(C351-Pad1): C351.1 L333.1
Net-(C355-Pad1): C355.1 L337.1
Net-(C356-Pad1): C356.1 L338.1
Net-(C357-Pad1): C357.1 L339.1
Net-(C358-Pad1): C358.1 C359.1 L340.1
Net-(C363-Pad1): C363.1 L344.1
Net-(C364-Pad1): C364.1 L345.1
Net-(C365-Pad1): C365.1 L346.1
Net-(C366-Pad1): C366.1 L347.1
Net-(C367-Pad1): C367.1 C368.1 L349.2
Net-(C369-Pad1): C369.1 C370.1 L351.2
Net-(C371-Pad1): C371.1 C372.1 L353.2
Net-(C373-Pad1): C373.1 C374.1 L355.2
Net-(C618-Pad1): C618.1 L605.1 R607.2 R609.2
Net-(C618-Pad2): C618.2 L606.1 R608.2 R610.1
Net-(C619-Pad2): C619.2 L607.2
Net-(C625-Pad2): C625.2 L608.1
Net-(IC101-EN): C102.1 FB102.2 IC101.1 IC101.3
Net-(IC104-~{P}/S): IC104.3 R102.2
Net-(IC201-LS): IC201.1 R201.1
Net-(IC202-LS): IC202.1 R202.1
Net-(IC203-C+): C204.2 IC203.10
Net-(IC203-C-): C204.1 IC203.9
Net-(IC203-CP): C206.2 IC203.5
Net-(IC203-EN+): C201.2 C203.2 FB201.2 IC203.3 IC203.8 IC203.12
Net-(IC203-FB+): IC203.2 R203.1 R204.1
Net-(IC203-FB-): IC203.7 R205.1 R206.1
Net-(IC405-EN): C403.1 FB402.2 IC405.1 IC405.3
Net-(IC501-EN): C501.1 FB501.2 IC501.1 IC501.3
Net-(IC502-~{P}/S): IC502.3 R501.2
Net-(IC601-+FDBK): C607.1 IC601.19
Net-(IC601-+IN): C601.2 IC601.24 R601.2
Net-(IC601--FDBK): C608.1 IC601.12
Net-(IC601--IN): C602.2 IC601.7 R602.2
Net-(IC601-NFILT1): C606.2 IC601.6
Net-(IC601-NFILT2): C605.2 IC601.5
Net-(IC602-EN_UV): IC602.3 R614.1 R615.2
Net-(IC602-FB_PG): IC602.5 R617.1 R618.2
Net-(IC602-IN_1): C603.1 FB601.2 IC602.1 IC602.2 R614.2
Net-(IC602-NR/SS): C604.1 IC602.7 R616.2
Net-(IC702-EN_UV): IC702.3 R702.1 R703.2
Net-(IC702-FB_PG): IC702.5 R705.1 R706.2
Net-(IC702-IN_1): C701.1 FB701.2 IC702.1 IC702.2 R702.2
Net-(IC702-NR/SS): C706.1 IC702.7 R704.2
Net-(IC703-EN_UV): IC703.3 R707.1 R708.2
Net-(IC703-FB_PG): IC703.5 R710.1 R711.2
Net-(IC703-IN_1): C709.1 FB702.2 IC703.1 IC703.2 R707.2
Net-(IC703-NR/SS): C710.1 IC703.7 R709.2
Net-(IC801-XA): C807.2 IC801.8
Net-(IC801-XB): C808.2 IC801.9
Net-(IC901-DACREF): IC901.15 R901.2
Net-(IC901-FSADJ): IC901.14 R901.1
Net-(IC901-PD): IC901.10 U902.4
Net-(IC901-REFIO): C904.1 IC901.13
Net-(IC902-EN_UV): IC902.3 R905.1 R906.2
Net-(IC902-FB_PG): IC902.5 R908.1 R909.2
Net-(IC902-IN_1): C909.1 FB901.2 IC902.1 IC902.2 R905.2
Net-(IC902-NR/SS): C910.1 IC902.7 R907.2
Net-(J901-Pad3): J901.3 R920.2
Net-(J901-Pad25): J901.25 R912.2
Net-(J901-Pad26): J901.26 R913.1
Net-(J901-Pad27): J901.27 R910.2
Net-(J901-Pad28): J901.28 R911.1
Net-(J901-Pad29): J901.29 R918.2
Net-(J901-Pad30): J901.30 R914.1
Net-(J901-Pad31): J901.31 R917.2
Net-(J901-Pad32): J901.32 R915.1
Net-(J901-Pad34): J901.34 R916.1
Net-(J901-Pad35): J901.35 R921.2
Net-(L601-Pad2): L601.2 L611.1 R603.1 R620.2
Net-(L602-Pad1): L602.1 L611.2 R604.2 R620.1
Net-(L603-Pad2): L603.2 L612.1 R605.2 R621.1
Net-(L604-Pad1): L604.1 L612.2 R606.1 R621.2
Net-(L605-Pad2): L605.2 L607.1 L609.1
Net-(L606-Pad2): L606.2 L608.2 L610.1
Net-(L609-Pad2): L609.2 R612.1
Net-(L610-Pad2): L610.2 R613.1
Net-(R616-Pad1): R616.1 R619.2
Net-(T602-S1): R608.1 T602.1
Net-(T602-S2): R607.1 T602.3
Net-(T602-ST): C617.2 R609.1 R610.2 R611.1 T602.2
Net-(T901-ST): C919.1 T901.2
Net-(X801-OUT): C807.1 X801.4
